# Altium PCB Core429IBaseBoardVerE.PcbDoc (part 2 of 2)
Units mil, origin at the board's own origin, x right, y up, seen from the top; angles counter-clockwise.
Board outline 5194.49 x 4255.91 mil, 4 copper layers (L1, L2, L3, L4), stack 64.4 mil thick; 137 components, 207 nets, 652 pads, 249 vias.
Unrouted connection lines stored in the file: 10.
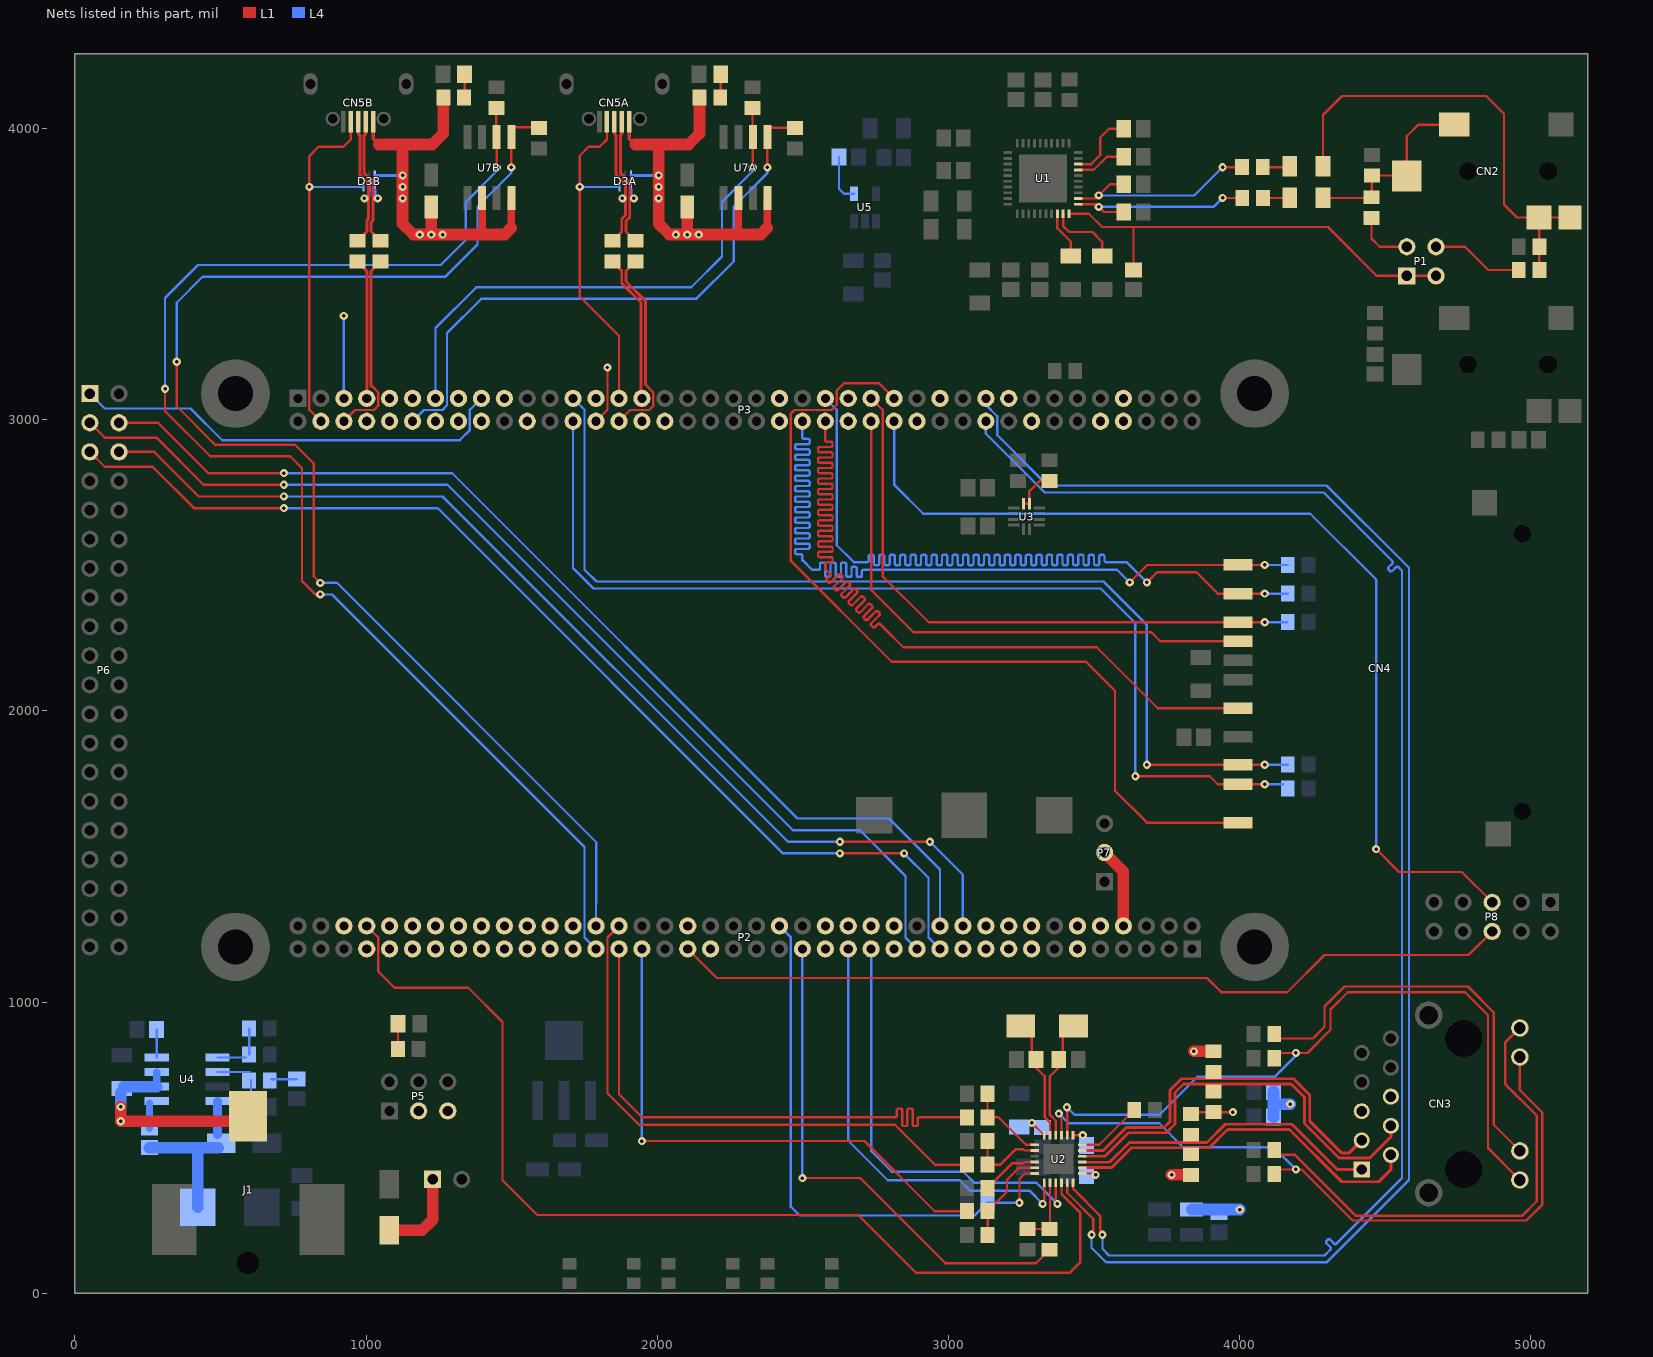
[diagram p4: the nets of this part, all layers, seen from the top]

## Via types
v1: diameter 28, hole 12, L1 to L4, tented both sides, 215 vias
v2: diameter 28, hole 12, L1 to L4, 21 vias
v3: diameter 25.98, hole 12.99, L1 to L4, tented top, 13 vias

## Nets (pads, with @x,y where several pads share a name; then routed paths per layer and width w, separated by ;. In a path a pad name is that pad's centre, name@x,y a point inside that pad or via, vN(x,y) a via of type N, cw(c..) or ccw(c..) an arc to the next point about the centre after c; other vN are vias at no path point) (continued)
NetC7_1: C7.1 CN2.1 R4.1 R9.2 | length 672.3
  L1 w8: C7.1@4285.99,3761.5 R4.1@4450.48,3761.5 ; R4.1@4453.78,3764.8 R9.2@4453.78,3838.43 CN2.1@4570.98,3838.43 ; CN2.1@4573.27,3836.14 4573.27,3973.15 4613.43,4013.31 CN2.1@4736.65,4013.31
NetC7_2: C7.2 R6.1 | length 92.2
  L1 w8: R6.1@4079.61,3761.5 C7.2@4171.81,3761.5
NetC12_1: C12.1 CN2.2 R5.1 R8.2 | length 1585.6
  L1 w8: C12.1@4285.99,3869.77 4285.99,4045.83 4351.38,4111.22 4846.46,4111.22 4907.48,4050.2 4907.48,3739.17 4952.24,3694.41 CN2.2@5027.99,3694.41 ; R5.1@5027.99,3515.08 CN2.2@5027.99,3694.41 ; CN2.2@5134.29,3694.41 CN2.2@5027.99,3694.41
NetC12_2: C12.2 R7.1 | length 90
  L1 w8: R7.1@4079.06,3867.01 C12.2@4169.06,3867.01
NetC14_1: C14.1 P1.1 P1.3 U1.20 | length 1495.4
  L1 w8: U1.20@3413.23,3707.36 3481.61,3707.36 3527.56,3661.42 3634.84,3661.42 4303.15,3661.42 4470.71,3493.86 P1.1@4573.78,3493.86 P1.3@4673.78,3493.86 ; C14.1@3635.35,3514.49 3635.35,3660.91
NetC15_1: C15.1 R7.2 U1.22 | length 708.7
  L1 w8: U1.22@3445.71,3759.53 3505.59,3759.53 v1(3515.99,3769.93) 3554.8,3808.74 C15.1@3601.57,3808.74 ; v1(3940.94,3867.01) R7.2@4008.19,3867.01
  L4 w8: v1(3515.99,3769.93) 3843.86,3769.93 v1(3940.94,3867.01)
NetC16_1: C16.1 R6.2 U1.21 | length 672.5
  L1 w8: U1.21@3445.71,3739.84 3507.2,3739.84 3534.06,3712.99 C16.1@3601.57,3712.99 ; v1(3940.94,3761.5) R6.2@4008.74,3761.5
  L4 w8: v1(3515.99,3730.64) 3910.08,3730.64 v1(3940.94,3761.5)
NetC17_2: C17.2 U1.18 | length 164.9
  L1 w8: U1.18@3373.86,3707.36 3373.86,3657.64 3419.61,3611.89 C17.2@3419.61,3561.42
NetC18_2: C18.2 U1.27 | length 174.6
  L1 w8: U1.27@3445.71,3857.95 3498.7,3857.95 3543.82,3903.07 C18.2@3601.57,3903.07
NetC19_2: C19.2 U1.28 | length 241.2
  L1 w8: U1.28@3445.71,3877.64 3489.84,3877.64 3520.67,3908.46 3520.67,3968.5 3550.98,3998.82 C19.2@3601.57,3998.82
NetC20_2: C20.2 U1.19 | length 248.1
  L1 w8: U1.19@3393.54,3707.36 3393.54,3665.51 3414.37,3644.68 3494.09,3644.68 3527.48,3611.3 C20.2@3527.48,3561.42
NetC21_2: C21.2 C22.2 C25.2 C26.2 C27.1 CN3.5 CN3.6 L1.1 R17.2 R18.2 R19.2 R20.2 U2.1 U2.19 | length 661.8
  L1 w8: U2.1@3427.17,542.32 v1@3460.63,542.32 ; U2.19@3459.65,411.42 v1@3500,411.42 ; R20.2@3832.68,622.05 v1(3976.38,622.05)
  L1 w40: v1(3765.75,406.5) R19.2@3832.68,406.5 ; v1(3842.52,830.71) R18.2@3909.45,830.71
  L4 w40: C27.1@3834.65,287.4 v1(4000,287.4) ; C22.2@4116.14,604.92 4116.14,649.61 ; C21.2@4116.14,692.91 4116.14,649.61 ; v1(4173.23,649.61) 4116.14,649.61
  other v1: 3504.92,406.5 3460.63,543.31
NetC23_2: C23.2 C24.2 U2.6 | length 60.1
  L1 w8: v1(3286.25,584.81) U2.6@3328.74,542.32
NetC30_2: C30.2 U2.4 X1.1 | length 396.8
  L1 w8: U2.4@3368.11,542.32 3368.11,592.52 3347.99,612.64 3347.99,745.04 3378.5,775.55 C30.2@3378.5,803.03 ; C30.2@3392.28,803.03 X1.1@3392.28,918.19
NetC31_2: C31.2 U2.5 X1.2 | length 396
  L1 w8: C31.2@3285.98,803.03 X1.2@3285.98,918.19 ; C31.2@3299.76,803.03 3299.76,775.47 3329.99,745.25 3329.99,605.18 3348.43,586.75 U2.5@3348.43,542.32
NetC34_2: C34.2 J1.1 U4.2 U4.3 | length 682.5
  L1 w40: v1(157.48,639.76) v1(157.48,590.55) J1.1@577.8,590.55
  L4 w25: U4.2@280.94,709.54 U4.3@280.94,759.54
  L4 w40: v1(157.48,639.76) C34.2@157.48,688.98 ; C34.2@167.19,709.54 U4.2@280.94,709.54
NetC35_2: C35.2 U4.4 | length 95
  L4 w8: U4.4@280.94,809.54 C35.2@280.94,904.55
NetC38_2: C38.2 U5.4 | length 167.1
  L4 w8: C38.2@2624.02,3901.57 2624.02,3793.31 2641.42,3775.91 U5.4@2675.67,3775.91
NetC46_2: C46.2 R43.1 | length 89
  L4 w8: R43.1@673.01,735.4 C46.2@761.98,735.4
NetC48_2: C48.2 R43.2 U4.6 | length 199.5
  L4 w8: U4.6@489.61,759.54 600.39,759.54 ; C48.2@604.33,642.55 R43.2@604.33,731.3
NetC49_1: C49.1 D1.2 L2.1 U4.8 | length 555.9
  L4 w30: D1.2@489.61,544.46 U4.8@489.61,659.54
  L4 w40: C49.1@255.91,499.92 D1.2@492.13,499.92 ; L2.1@421.26,295.28 421.26,499.92
NetC49_2: C49.2 U4.1 | length 85.9
  L4 w25: C49.2@255.91,566.85 U4.1@255.91,652.73
NetCN3_11: CN3.11 R27.2 U2.2 | length 2482.9
  L1 w8: U2.2@3407.48,542.32 v1@3407.48,638.78 ; R27.2@4118.11,825.12 4232.28,825.12 4311.81,904.65 4311.81,974.41 4370.87,1033.46 4773.62,1033.46 4852.36,954.72 4852.36,498.58 CN3.11@4961.85,389.09
  L4 w8: v1(3406.5,638.78) 3432.09,613.19 3724.41,613.19 3854.33,743.11 4119.09,743.11 v1@4192.91,816.93
  other v1: 4192.91,825.12
NetCN3_12: CN3.12 R30.2 | length 1417.4
  L1 w8: R30.2@4118.11,875.12 4251.1,875.12 4291.34,915.35 4291.34,984.25 4360.24,1053.15 4783.46,1053.15 4872.05,964.57 4872.05,578.9 CN3.12@4961.85,489.09
NetCN3_13: CN3.13 R28.2 U2.3 | length 2523.5
  L1 w8: U2.3@3387.8,542.32 v1@3387.8,617.13 ; R28.2@4118.11,425.12 v1(4192.91,425.12) 4212.6,425.12 4387.97,249.75 4984,249.75 5039.37,305.12 5039.37,620.08 4961.42,698.03 CN3.13@4961.42,811.14
  L4 w8: v1(3378.94,617.13) 3412.4,583.66 3723.43,583.66 3806.1,500.98 4117.05,500.98 v1(4192.91,425.12)
NetCN3_14: CN3.14 R29.2 | length 1670.1
  L1 w8: R29.2@4118.11,475.12 4190.24,475.12 4399.61,265.75 4969.68,265.75 5019.68,315.75 5019.68,610.24 4911.42,718.5 4911.42,860.71 CN3.14@4961.85,911.14
NetD2_1: D2.1 P4.1 | length 302.8
  L1 w40: D2.1@1078.74,216.54 1191.93,216.54 1228.18,252.78 P4.1@1228.18,391.17
NetLD1_1: LD1.1 R32.1 | length 86.9
  L1 w8: R32.1@1109.25,838.62 LD1.1@1109.25,925.51
NetLD2A_1: LD2A.1 R41A.1 | length 78
  L1 w8: R41A.1@2217.62,4108.49 LD2A.1@2217.62,4186.52
NetLD2B_1: LD2B.1 R41B.1 | length 78
  L1 w8: R41B.1@1338.09,4108.49 LD2B.1@1338.09,4186.52
NetP1_2: P1.2 R4.2 | length 203.6
  L1 w8: R4.2@4452.76,3692.91 4452.76,3622.05 4480.94,3593.86 P1.2@4573.78,3593.86
NetP1_4: P1.4 R5.2 | length 317.7
  L1 w8: P1.4@4673.78,3593.86 4773.27,3593.86 4853.27,3513.86 R5.2@4958.35,3513.86
NetR12_1: R12.1 R26.1 U2.14 | length 239.3
  L1 w8: R12.1@3271.65,220.47 R26.1@3352.48,220.47 ; R26.1@3348.43,220.47 U2.14@3348.43,378.94
NetR14_1: R14.1 R24.1 U2.11 | length 328.7
  L1 w8: R14.1@3134.09,200.91 R24.1@3134.09,281.73 3200.79,348.43 3200.79,389.76 3241.87,430.85 U2.11@3296.01,430.85
NetR15_1: R15.1 R22.1 U2.7 | length 282.1
  L1 w8: R22.1@3133.86,604.21 R15.1@3133.86,685.04 ; R22.1@3134.09,604.21 3171.38,604.21 3265.75,509.84 U2.7@3296.26,509.84
NetR16_1: R16.1 R21.1 U2.8 | length 266.3
  L1 w8: R21.1@3133.86,442.8 R16.1@3133.86,523.62 ; R21.1@3134.09,441.73 3177.95,441.73 3230.31,494.09 3255.91,494.09 3259.84,490.16 U2.8@3296.26,490.16
NetR23_1: R23.1 U2.10 | length 199.1
  L1 w8: R23.1@3134.09,361.73 3219.21,446.85 3255.9,446.85 3259.84,450.79 U2.10@3296.26,450.79
NetR25_2: R25.2 U2.24 | length 227.9
  L1 w8: U2.24@3459.65,509.84 3517.72,509.84 R25.2@3637.8,629.92
NetR31_2: R31.2 U3.2 U3.3 | length 145.6
  L1 w8: U3.3@3257.87,2711.61 U3.2@3277.56,2711.61 3277.56,2753.94 3312.99,2789.37 R31.2@3346.46,2789.37
NetR42_1: R42.1 R44.2 U4.5 | length 186.7
  L4 w8: U4.5@489.61,809.54 R42.1@587.53,809.54 ; R42.1@598.04,820.05 R44.2@598.04,908.8
NRST: P2.29 U2.15 | length 1475.8
  L1 w8: v1@3368.11,312.68 U2.15@3368.11,378.94
  L4 w8: P2.29@2734.25,1182.68 2734.25,488.19 2805.12,417.32 3050.2,417.32 3087.6,379.92 3300.87,379.92 v1(3374.13,306.65)
OTG_FS_ID1: CN5A.4 D3A.3 P3.29 | length 1203.2
  L1 w8: CN5A.4@1826.91,4023.1 1826.91,3962.15 1801.77,3937.01 1763.78,3937.01 1733.27,3906.5 v1(1733.27,3799.21) 1733.27,3423.23 1868.11,3288.39 P3.29@1868.11,3073.23
  L4 w8: v1(1733.27,3799.21) D3A.3@1869.68,3799.21
OTG_FS_ID2: CN5B.4 D3B.3 P3.4 | length 1339
  L1 w8: P3.4@844.49,2994.49 805.12,3033.86 805.12,3905.51 836.61,3937.01 922.24,3937.01 947.39,3962.15 CN5B.4@947.39,4023.1
  L4 w8: v1(805.12,3799.21) D3B.3@990.16,3799.21
OTG_FS_N1: P3.30 R39A.2 | length 688.5
  L1 w8: P3.30@1868.11,2994.49 1907.09,3033.46 1972.44,3033.46 1986.22,3047.24 1986.22,3093.5 1959.15,3120.57
  L1 w10: R39A.2@1925.3,3543.3 1892.8,3510.8 1892.8,3474.41 1958.66,3408.55 1958.66,3120.08
OTG_FS_N2: P3.6 R39B.2 | length 657.9
  L1 w8: P3.6@923.23,2994.49 962.2,3033.46 1026.57,3033.46 1041.34,3048.23 1041.34,3093.5 1019.68,3115.16
  L1 w10: 1017.33,3115.16 1017.33,3510.8 R39B.2@1049.83,3543.3
OTG_FS_OC1: P3.13 R38A.2 U7A.2 | length 1879.8
  L1 w8: U7A.2@2326.82,3971.13 R38A.2@2326.82,4070.3 ; v1(2327.88,3866.07) U7A.2@2327.88,3970.06
  L4 w8: P3.13@1238.19,3073.23 1238.19,3314.44 1378.47,3454.72 2116.66,3454.72 2222.05,3560.11 2222.05,3747.64 2327.88,3853.48 v1(2327.88,3866.07)
OTG_FS_OC2: P2.53 R38B.2 U7B.2 | length 4653.8
  L1 w8: v1(309.41,3106.3) 309.41,3029.17 464.57,2874.02 739.17,2874.02 779.88,2833.31 779.88,2445.68 825.95,2399.61 v1(842.52,2399.61) ; U7B.2@1447.29,3971.13 R38B.2@1447.29,4070.3 ; v1(1448.36,3866.07) U7B.2@1448.36,3970.06
  L4 w8: v1(309.41,3106.3) 309.41,3418.14 422.41,3531.14 1255.9,3531.14 1342.52,3617.76 1342.52,3747.64 1448.36,3853.48 v1(1448.36,3866.07) ; v1(842.52,2399.61) 882.87,2399.61 1750,1532.48 1750,1222.05 P2.53@1789.37,1182.68
OTG_FS_P1: P3.31 R40A.2 | length 510.8
  L1 w10: R40A.2@1845.3,3543.3 1877.8,3510.8 1877.8,3468.2 1943.66,3402.33 P3.31@1943.66,3073.23
OTG_FS_P2: P3.7 R40B.2 | length 483.5
  L1 w10: R40B.2@969.83,3543.3 1002.33,3510.8 P3.7@1002.33,3073.23
OTG_FS_VBUS1: C45A.1 CN5A.1 D3A.6 P3.28 P5.3 R41A.2 U7A.6 U7A.8 | length 1736
  L1 w8: P3.28@1789.37,2994.49 1828.74,3033.86 v1(1828.74,3179.13)
  L1 w12: CN5A.1@1903.68,4023.1 1903.68,3965.02 1923.82,3944.88
  L1 w25: 2277.88,3635.83 U7A.6@2277.88,3761.4 ; 2377.88,3658.79 U7A.8@2377.88,3761.4
  L1 w40: 1923.82,3944.88 2004.53,3944.88 ; C45A.1@2102.88,3730.61 v1(2102.88,3635.83) ; R41A.2@2144.79,4106.52 2144.79,3982.78 2106.89,3944.88 2004.53,3944.88 ; 2377.88,3658.79 2354.92,3635.83 2277.88,3635.83 v1(2102.88,3635.83) ; 2004.53,3944.88 v1(2004.53,3838.58) v1(2004.53,3799.21) v1(2004.53,3759.84) 2004.53,3673.23 2041.93,3635.83 v1(2102.88,3635.83)
  L4 w10: D3A.6@1909.45,3838.58 v1(2004.53,3838.58)
  other v1: 2063.51,3635.83 2142.25,3635.83
OTG_FS_VBUS2: C45B.1 CN5B.1 D3B.6 P3.5 P5.5 R41B.2 U7B.6 U7B.8 | length 1818.1
  L1 w12: CN5B.1@1024.16,4023.1 1024.16,3965.02 1044.29,3944.88
  L1 w25: 1398.36,3635.83 U7B.6@1398.36,3761.4 ; 1498.36,3658.79 U7B.8@1498.36,3761.4
  L1 w40: 1044.29,3944.88 1125,3944.88 ; C45B.1@1223.36,3730.61 v1(1223.36,3635.83) ; R41B.2@1265.26,4106.52 1265.26,3982.78 1227.36,3944.88 1125,3944.88 ; 1498.36,3658.79 1475.39,3635.83 1398.36,3635.83 v1(1223.36,3635.83) ; 1125,3944.88 1125,3673.23 1162.4,3635.83 v1(1223.36,3635.83)
  L4 w8: P3.5@923.23,3073.23 v1(923.23,3356.3)
  L4 w10: D3B.6@1029.92,3838.58 v1(1125,3838.58)
  other v1: 1183.99,3635.83 1262.73,3635.83 1125,3759.84 1125,3799.21
OTG_FS_VBUSEN1: P3.12 R9A.1 U7A.1 | length 2040.7
  L1 w8: v1(2377.88,3866.07) U7A.1@2377.88,3970.06 ; U7A.1@2381.89,4001.97 R9A.1@2472.54,4001.97
  L4 w8: P3.12@1159.45,2994.49 1198.43,3033.46 1261.81,3033.46 1277.56,3049.21 1277.56,3297.24 1395.04,3414.72 2133.23,3414.72 2262.05,3543.54 2262.05,3731.07 2377.88,3846.91 v1(2377.88,3866.07) v1@2377.69,3865.88
OTG_FS_VBUSEN2: P2.54 R9B.1 U7B.1 | length 4554.6
  L1 w8: v1(349.41,3198.82) 349.41,3045.74 481.14,2914.02 755.74,2914.02 819.88,2849.88 819.88,2462.24 v1(842.52,2439.61) ; U7B.1@1496.06,4004.02 R9B.1@1586.71,4004.02 ; v1(1498.36,3866.07) U7B.1@1498.36,3970.06
  L4 w8: v1(349.41,3198.82) 349.41,3401.57 438.98,3491.14 1272.47,3491.14 1382.52,3601.19 1382.52,3731.07 1498.36,3846.91 v1(1498.36,3866.07) ; v1(842.52,2439.61) 899.44,2439.61 1790,1549.05 1790,1338.23 1789.37,1337.6 P2.54@1789.37,1261.42
PA1: P2.35 R26.2 | length 1775.7
  L1 w8: v1(2498.03,395.67) 2696.85,395.67 2989.17,103.35 3300.2,103.35 R26.2@3346.46,149.61
  L4 w8: v1(2498.03,395.67) P2.35@2498.03,1182.68
PA2: P2.38 R13.1 U2.12 | length 1938.9
  L1 w8: v1(3243.66,310.91) 3243.66,393.27 3261.81,411.42 U2.12@3296.26,411.42
  L4 w8: P2.38@2419.29,1261.42 2458.66,1222.05 2458.66,297.24 2489.17,266.73 3089.57,266.73 R13.1@3133.86,311.02 ; R13.1@3133.86,310.91 v1(3243.66,310.91)
PA3: P2.45 P8.6 | length 2911
  L1 w8: P2.45@2104.33,1182.68 2204.33,1082.68 3887.8,1082.68 3937.01,1033.46 4163.39,1033.46 4291.34,1161.42 4785.83,1161.42 P8.6@4866.93,1242.52
PA7: P2.49 R24.2 | length 1876
  L1 w8: v1(1946.97,522.75) 2711.73,522.75 2952.76,281.73 R24.2@3063.23,281.73
  L4 w8: v1@1946.85,522.75 P2.49@1946.85,1182.68
PA8: P3.27
PA13: P3.32
PA14: P3.44
PB2: P2.56
PB5: P3.66
PB10: P2.71
PB11: P2.74 U2.16 | length 3645
  L1 w8: P2.74@1001.97,1261.42 1041.34,1222.05 1041.34,1105.32 1097.44,1049.21 1350.39,1049.21 1468.5,931.1 1468.5,387.8 1587.6,268.7 2689.96,268.7 2888.78,69.88 3415.35,69.88 3452.76,107.28 3452.76,275.59 3387.8,340.55 U2.16@3387.8,378.94
PC0: P2.30
PC1: P2.31 U2.13 | length 1482
  L1 w8: v1@3328.74,312.99 U2.13@3328.74,378.94
  L4 w8: P2.31@2655.51,1182.68 2655.51,523.62 2791.34,387.8 3038.39,387.8 3073.82,352.36 3277.56,352.36 v1(3322.83,307.09)
PC2: P2.32
PC3: P2.33
PC4: P2.52 R21.2 | length 1926.8
  L1 w8: P2.52@1868.11,1261.42 1828.74,1222.05 1828.74,687.01 1937.01,578.74 2815.75,578.74 2952.76,441.73 R21.2@3063.23,441.73
PC5: P2.51 R22.2 | length 1944.2
  L1 w8: P2.51@1868.11,1182.68 1868.11,683.07 1946.97,604.21 2814.96,604.21 2817.14,604.21 ccw(c2817.14,609.61) 2822.54,609.61 2822.54,628.81 cw(c2827.94,628.81) 2827.94,634.21 2835.14,634.21 cw(c2835.14,628.81) 2840.54,628.81 2840.54,604.21 2840.54,579.61 ccw(c2845.94,579.61) 2845.94,574.21 2853.14,574.21 ccw(c2853.14,579.61) 2858.54,579.61 2858.54,604.21 2858.54,628.81 cw(c2863.94,628.81) 2863.94,634.21 2871.14,634.21 cw(c2871.14,628.81) 2876.54,628.81 2876.54,604.21 2876.54,579.61 ccw(c2881.94,579.61) 2881.94,574.21 2889.14,574.21 ccw(c2889.14,579.61) 2894.54,579.61 2894.54,598.81 cw(c2899.94,598.81) 2899.94,604.21 2903.54,604.21 R22.2@3063.23,604.21
PC8: CN4.7 P3.25 R34.1 | length 3578.3
  L1 w8: v1@3681.17,1815.03 CN4.7@3994.11,1815.03 v1(4085.65,1815.03)
  L4 w8: P3.25@1710.63,3073.23 1750,3033.86 1750,2484.73 1790.69,2444.04 3532.34,2444.04 3681.1,2295.28 v1(3681.1,1814.96) ; v1(4085.65,1815.03) R34.1@4164.81,1815.03
PC9: CN4.8 P3.26 R33.1 | length 3558.5
  L1 w8: v1(3641.73,1775.59) 3896.72,1775.59 3924.22,1748.1 CN4.8@3994.11,1748.1 v1(4085.65,1748.1)
  L4 w8: P3.26@1710.63,2994.49 1710.63,2490.16 1780.75,2420.04 3522.4,2420.04 3641.73,2300.7 v1(3641.73,1775.59) ; v1(4085.65,1748.1) R33.1@4149.84,1748.1
PC10: CN4.1 P3.46 R37.1 | length 3516.3
  L1 w8: v1(3622.05,2440.94) 3682.15,2501.05 CN4.1@3994.11,2501.05 v1(4085.65,2501.05)
  L4 w8: P3.46@2498.03,2994.49 2498.03,2942.91 2498.03,2939.31 ccw(c2503.43,2939.31) 2503.43,2933.91 2517.63,2933.91 cw(c2517.63,2928.51) 2523.03,2928.51 2523.03,2921.31 cw(c2517.63,2921.31) 2517.63,2915.91 2498.03,2915.91 2478.43,2915.91 ccw(c2478.43,2910.51) 2473.03,2910.51 2473.03,2903.31 ccw(c2478.43,2903.31) 2478.43,2897.91 2498.03,2897.91 2517.63,2897.91 cw(c2517.63,2892.51) 2523.03,2892.51 2523.03,2885.31 cw(c2517.63,2885.31) 2517.63,2879.91 2498.03,2879.91 2478.43,2879.91 ccw(c2478.43,2874.51) 2473.03,2874.51 2473.03,2867.31 ccw(c2478.43,2867.31) 2478.43,2861.91 2498.03,2861.91 2517.63,2861.91 cw(c2517.63,2856.51) 2523.03,2856.51 2523.03,2849.31 cw(c2517.63,2849.31) 2517.63,2843.91 2498.03,2843.91 2478.43,2843.91 ccw(c2478.43,2838.51) 2473.03,2838.51 2473.03,2831.31 ccw(c2478.43,2831.31) 2478.43,2825.91 2498.03,2825.91 2517.63,2825.91 cw(c2517.63,2820.51) 2523.03,2820.51 2523.03,2813.31 cw(c2517.63,2813.31) 2517.63,2807.91 2498.03,2807.91 2478.43,2807.91 ccw(c2478.43,2802.51) 2473.03,2802.51 2473.03,2795.31 ccw(c2478.43,2795.31) 2478.43,2789.91 2498.03,2789.91 2517.63,2789.91 cw(c2517.63,2784.51) 2523.03,2784.51 2523.03,2777.31 cw(c2517.63,2777.31) 2517.63,2771.91 2498.03,2771.91 2478.43,2771.91 ccw(c2478.43,2766.51) 2473.03,2766.51 2473.03,2759.31 ccw(c2478.43,2759.31) 2478.43,2753.91 2498.03,2753.91 2517.63,2753.91 cw(c2517.63,2748.51) 2523.03,2748.51 2523.03,2741.31 cw(c2517.63,2741.31) 2517.63,2735.91 2498.03,2735.91 2478.43,2735.91 ccw(c2478.43,2730.51) 2473.03,2730.51 2473.03,2723.31 ccw(c2478.43,2723.31) 2478.43,2717.91 2498.03,2717.91 2517.63,2717.91 cw(c2517.63,2712.51) 2523.03,2712.51 2523.03,2705.31 cw(c2517.63,2705.31) 2517.63,2699.91 2498.03,2699.91 2478.43,2699.91 ccw(c2478.43,2694.51) 2473.03,2694.51 2473.03,2687.31 ccw(c2478.43,2687.31) 2478.43,2681.91 2498.03,2681.91 2517.63,2681.91 cw(c2517.63,2676.51) 2523.03,2676.51 2523.03,2669.31 cw(c2517.63,2669.31) 2517.63,2663.91 2498.03,2663.91 2478.43,2663.91 ccw(c2478.43,2658.51) 2473.03,2658.51 2473.03,2651.31 ccw(c2478.43,2651.31) 2478.43,2645.91 2498.03,2645.91 2517.63,2645.91 cw(c2517.63,2640.51) 2523.03,2640.51 2523.03,2633.31 cw(c2517.63,2633.31) 2517.63,2627.91 2498.03,2627.91 2478.43,2627.91 ccw(c2478.43,2622.51) 2473.03,2622.51 2473.03,2615.31 ccw(c2478.43,2615.31) 2478.43,2609.91 2498.03,2609.91 2517.63,2609.91 cw(c2517.63,2604.51) 2523.03,2604.51 2523.03,2597.31 cw(c2517.63,2597.31) 2517.63,2591.91 2498.03,2591.91 2478.43,2591.91 ccw(c2478.43,2586.51) 2473.03,2586.51 2473.03,2579.31 ccw(c2478.43,2579.31) 2478.43,2573.91 2498.03,2573.91 2517.63,2573.91 cw(c2517.63,2568.51) 2523.03,2568.51 2523.03,2561.31 cw(c2517.63,2561.31) 2517.63,2555.91 2498.03,2555.91 2478.43,2555.91 ccw(c2478.43,2550.51) 2473.03,2550.51 2473.03,2543.31 ccw(c2478.43,2543.31) 2478.43,2537.91 2492.63,2537.91 cw(c2492.63,2532.51) 2498.03,2532.51 2498.03,2519.91 2498.03,2517.72 2531.5,2484.25 2540.5,2484.25 2553.1,2484.25 ccw(c2553.1,2489.65) 2558.5,2489.65 2558.5,2503.85 cw(c2563.9,2503.85) 2563.9,2509.25 2571.1,2509.25 cw(c2571.1,2503.85) 2576.5,2503.85 2576.5,2484.25 2576.5,2465.44 ccw(c2581.9,2465.44) 2581.9,2460.04 2589.1,2460.04 ccw(c2589.1,2465.44) 2594.5,2465.44 2594.5,2484.25 2594.5,2503.85 cw(c2599.9,2503.85) 2599.9,2509.25 2607.1,2509.25 cw(c2607.1,2503.85) 2612.5,2503.85 2612.5,2484.25 2612.5,2465.44 ccw(c2617.9,2465.44) 2617.9,2460.04 2625.1,2460.04 ccw(c2625.1,2465.44) 2630.5,2465.44 2630.5,2484.25 2630.5,2503.85 cw(c2635.9,2503.85) 2635.9,2509.25 2643.1,2509.25 cw(c2643.1,2503.85) 2648.5,2503.85 2648.5,2484.25 2648.5,2465.44 ccw(c2653.9,2465.44) 2653.9,2460.04 2661.1,2460.04 ccw(c2661.1,2465.44) 2666.5,2465.44 2666.5,2484.25 2666.5,2489.43 cw(c2671.9,2489.43) 2671.9,2494.83 2679.1,2494.83 cw(c2679.1,2489.43) 2684.5,2489.43 2684.5,2484.25 2684.5,2465.44 ccw(c2689.9,2465.44) 2689.9,2460.04 2697.1,2460.04 ccw(c2697.1,2465.44) 2702.5,2465.44 2702.5,2478.85 cw(c2707.9,2478.85) 2707.9,2484.25 2716.54,2484.25 3578.74,2484.25 v1(3622.05,2440.94) ; v1(4085.65,2501.05) R37.1@4164.37,2501.05
PC11: CN4.2 P3.47 R36.1 | length 3569.6
  L1 w8: v1(3681.1,2440.94) 3716.54,2476.38 3850.46,2476.38 3924.22,2402.63 CN4.2@3994.11,2402.63 v1(4085.65,2402.63)
  L4 w8: P3.47@2576.77,3073.23 2616.14,3033.86 2616.14,2568.9 2674.21,2510.83 2716.54,2510.83 2720.14,2510.83 ccw(c2720.14,2516.23) 2725.54,2516.23 2725.54,2530.43 cw(c2730.94,2530.43) 2730.94,2535.83 2738.14,2535.83 cw(c2738.14,2530.43) 2743.54,2530.43 2743.54,2510.83 2743.54,2505.65 ccw(c2748.94,2505.65) 2748.94,2500.25 2756.14,2500.25 ccw(c2756.14,2505.65) 2761.54,2505.65 2761.54,2510.83 2761.54,2530.43 cw(c2766.94,2530.43) 2766.94,2535.83 2774.14,2535.83 cw(c2774.14,2530.43) 2779.54,2530.43 2779.54,2510.83 2779.54,2505.65 ccw(c2784.94,2505.65) 2784.94,2500.25 2792.14,2500.25 ccw(c2792.14,2505.65) 2797.54,2505.65 2797.54,2510.83 2797.54,2530.43 cw(c2802.94,2530.43) 2802.94,2535.83 2810.14,2535.83 cw(c2810.14,2530.43) 2815.54,2530.43 2815.54,2510.83 2815.54,2505.65 ccw(c2820.94,2505.65) 2820.94,2500.25 2828.14,2500.25 ccw(c2828.14,2505.65) 2833.54,2505.65 2833.54,2510.83 2833.54,2530.43 cw(c2838.94,2530.43) 2838.94,2535.83 2846.14,2535.83 cw(c2846.14,2530.43) 2851.54,2530.43 2851.54,2510.83 2851.54,2505.65 ccw(c2856.94,2505.65) 2856.94,2500.25 2864.14,2500.25 ccw(c2864.14,2505.65) 2869.54,2505.65 2869.54,2510.83 2869.54,2530.43 cw(c2874.94,2530.43) 2874.94,2535.83 2882.14,2535.83 cw(c2882.14,2530.43) 2887.54,2530.43 2887.54,2510.83 2887.54,2505.65 ccw(c2892.94,2505.65) 2892.94,2500.25 2900.14,2500.25 ccw(c2900.14,2505.65) 2905.54,2505.65 2905.54,2510.83 2905.54,2530.43 cw(c2910.94,2530.43) 2910.94,2535.83 2918.14,2535.83 cw(c2918.14,2530.43) 2923.54,2530.43 2923.54,2510.83 2923.54,2505.65 ccw(c2928.94,2505.65) 2928.94,2500.25 2936.14,2500.25 ccw(c2936.14,2505.65) 2941.54,2505.65 2941.54,2510.83 2941.54,2530.43 cw(c2946.94,2530.43) 2946.94,2535.83 2954.14,2535.83 cw(c2954.14,2530.43) 2959.54,2530.43 2959.54,2510.83 2959.54,2505.65 ccw(c2964.94,2505.65) 2964.94,2500.25 2972.14,2500.25 ccw(c2972.14,2505.65) 2977.54,2505.65 2977.54,2510.83 2977.54,2530.43 cw(c2982.94,2530.43) 2982.94,2535.83 2990.14,2535.83 cw(c2990.14,2530.43) 2995.54,2530.43 2995.54,2510.83 2995.54,2505.65 ccw(c3000.94,2505.65) 3000.94,2500.25 3008.14,2500.25 ccw(c3008.14,2505.65) 3013.54,2505.65 3013.54,2510.83 3013.54,2530.43 cw(c3018.94,2530.43) 3018.94,2535.83 3026.14,2535.83 cw(c3026.14,2530.43) 3031.54,2530.43 3031.54,2510.83 3031.54,2505.65 ccw(c3036.94,2505.65) 3036.94,2500.25 3044.14,2500.25 ccw(c3044.14,2505.65) 3049.54,2505.65 3049.54,2510.83 3049.54,2530.43 cw(c3054.94,2530.43) 3054.94,2535.83 3062.14,2535.83 cw(c3062.14,2530.43) 3067.54,2530.43 3067.54,2510.83 3067.54,2505.65 ccw(c3072.94,2505.65) 3072.94,2500.25 3080.14,2500.25 ccw(c3080.14,2505.65) 3085.54,2505.65 3085.54,2510.83 3085.54,2530.43 cw(c3090.94,2530.43) 3090.94,2535.83 3098.14,2535.83 cw(c3098.14,2530.43) 3103.54,2530.43 3103.54,2510.83 3103.54,2505.65 ccw(c3108.94,2505.65) 3108.94,2500.25 3116.14,2500.25 ccw(c3116.14,2505.65) 3121.54,2505.65 3121.54,2510.83 3121.54,2530.43 cw(c3126.94,2530.43) 3126.94,2535.83 3134.14,2535.83 cw(c3134.14,2530.43) 3139.54,2530.43 3139.54,2510.83 3139.54,2505.65 ccw(c3144.94,2505.65) 3144.94,2500.25 3152.14,2500.25 ccw(c3152.14,2505.65) 3157.54,2505.65 3157.54,2510.83 3157.54,2530.43 cw(c3162.94,2530.43) 3162.94,2535.83 3170.14,2535.83 cw(c3170.14,2530.43) 3175.54,2530.43 3175.54,2510.83 3175.54,2505.65 ccw(c3180.94,2505.65) 3180.94,2500.25 3188.14,2500.25 ccw(c3188.14,2505.65) 3193.54,2505.65 3193.54,2510.83 3193.54,2530.43 cw(c3198.94,2530.43) 3198.94,2535.83 3206.14,2535.83 cw(c3206.14,2530.43) 3211.54,2530.43 3211.54,2510.83 3211.54,2505.65 ccw(c3216.94,2505.65) 3216.94,2500.25 3224.14,2500.25 ccw(c3224.14,2505.65) 3229.54,2505.65 3229.54,2510.83 3229.54,2530.43 cw(c3234.94,2530.43) 3234.94,2535.83 3242.14,2535.83 cw(c3242.14,2530.43) 3247.54,2530.43 3247.54,2510.83 3247.54,2505.65 ccw(c3252.94,2505.65) 3252.94,2500.25 3260.14,2500.25 ccw(c3260.14,2505.65) 3265.54,2505.65 3265.54,2510.83 3265.54,2530.43 cw(c3270.94,2530.43) 3270.94,2535.83 3278.14,2535.83 cw(c3278.14,2530.43) 3283.54,2530.43 3283.54,2510.83 3283.54,2505.65 ccw(c3288.94,2505.65) 3288.94,2500.25 3296.14,2500.25 ccw(c3296.14,2505.65) 3301.54,2505.65 3301.54,2510.83 3301.54,2530.43 cw(c3306.94,2530.43) 3306.94,2535.83 3314.14,2535.83 cw(c3314.14,2530.43) 3319.54,2530.43 3319.54,2510.83 3319.54,2505.65 ccw(c3324.94,2505.65) 3324.94,2500.25 3332.14,2500.25 ccw(c3332.14,2505.65) 3337.54,2505.65 3337.54,2510.83 3337.54,2530.43 cw(c3342.94,2530.43) 3342.94,2535.83 3350.14,2535.83 cw(c3350.14,2530.43) 3355.54,2530.43 3355.54,2510.83 3355.54,2505.65 ccw(c3360.94,2505.65) 3360.94,2500.25 3368.14,2500.25 ccw(c3368.14,2505.65) 3373.54,2505.65 3373.54,2510.83 3373.54,2530.43 cw(c3378.94,2530.43) 3378.94,2535.83 3386.14,2535.83 cw(c3386.14,2530.43) 3391.54,2530.43 3391.54,2510.83 3391.54,2505.65 ccw(c3396.94,2505.65) 3396.94,2500.25 3404.14,2500.25 ccw(c3404.14,2505.65) 3409.54,2505.65 3409.54,2510.83 3409.54,2530.43 cw(c3414.94,2530.43) 3414.94,2535.83 3422.14,2535.83 cw(c3422.14,2530.43) 3427.54,2530.43 3427.54,2510.83 3427.54,2505.65 ccw(c3432.94,2505.65) 3432.94,2500.25 3440.14,2500.25 ccw(c3440.14,2505.65) 3445.54,2505.65 3445.54,2510.83 3445.54,2530.43 cw(c3450.94,2530.43) 3450.94,2535.83 3458.14,2535.83 cw(c3458.14,2530.43) 3463.54,2530.43 3463.54,2510.83 3463.54,2505.65 ccw(c3468.94,2505.65) 3468.94,2500.25 3476.14,2500.25 ccw(c3476.14,2505.65) 3481.54,2505.65 3481.54,2510.83 3481.54,2530.43 cw(c3486.94,2530.43) 3486.94,2535.83 3494.14,2535.83 cw(c3494.14,2530.43) 3499.54,2530.43 3499.54,2510.83 3499.54,2505.65 ccw(c3504.94,2505.65) 3504.94,2500.25 3512.14,2500.25 ccw(c3512.14,2505.65) 3517.54,2505.65 3517.54,2510.83 3517.54,2530.43 cw(c3522.94,2530.43) 3522.94,2535.83 3530.14,2535.83 cw(c3530.14,2530.43) 3535.54,2530.43 3535.54,2516.23 ccw(c3540.94,2516.23) 3540.94,2510.83 3556.13,2510.83 3611.22,2510.83 v1(3681.1,2440.94) ; v1(4085.65,2402.63) R36.1@4164.77,2402.63